# Altium PCB main_io.PcbDoc (part 2 of 6) (continued)
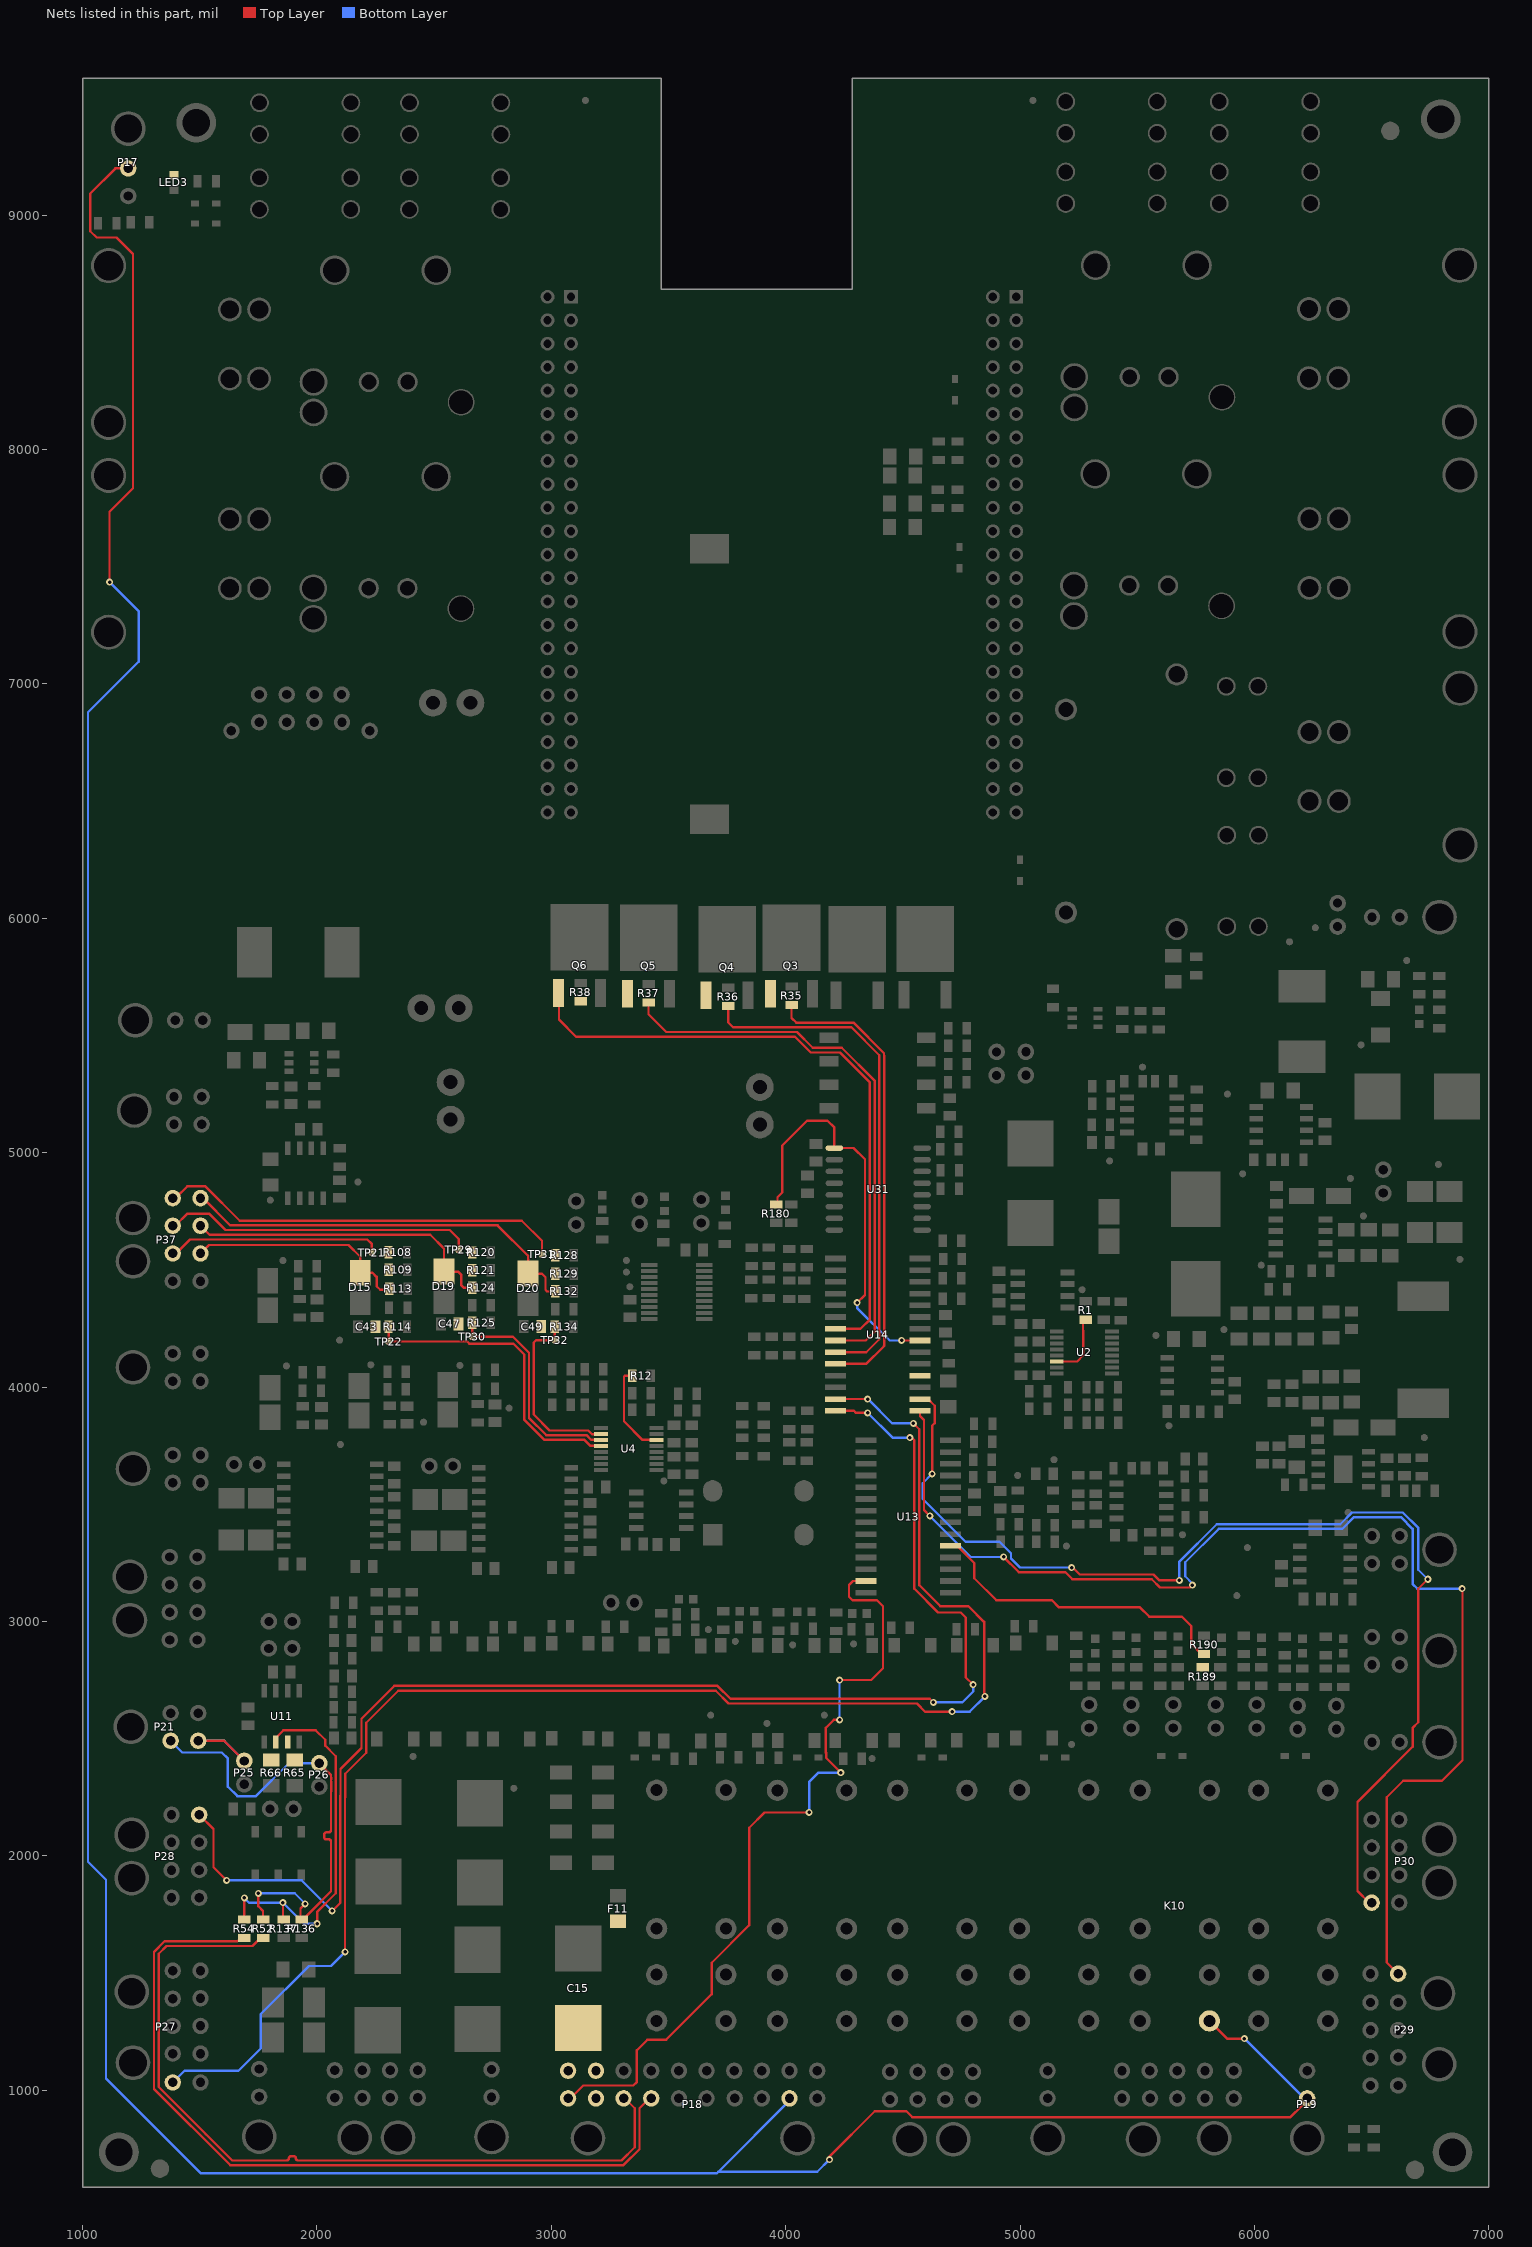
[diagram p4: the nets of this part, all layers, seen from the top]
## Part data (continued)
D22 D23 D32: "DIODE SCHOTTKY 40V 3A SMA", Average Rectified Current=3A, Capacitance=250pF, Case/Package=SMA, Forward Voltage=500mV, Manufacturer=Diodes, Max Forward Surge Current (Ifsm)=80A, Max Operating Temperature=125°C, Max Repetitive Reverse Voltage (Vrrm)=40V, Min Operating Temperature=-55°C, Package Quantity=5000, Peak Reverse Current=500uA, Supplier Part Number 1=B340A-FDICT-ND, ComponentLink1Description=https://datasheet.ciiva.com/26949/getdatasheetpartid-143394-26949352.pdf?src-supplier=Verical, ComponentLink1URL=https://datasheet.ciiva.com/26949/getdatasheetpartid-143394-26949352.pdf?src-supplier=Verical, ComponentLink2Description=https://datasheet.ciiva.com/4245/861ds30891-4245763.pdf?src-supplier=Arrow, ComponentLink2URL=https://datasheet.ciiva.com/4245/861ds30891-4245763.pdf?src-supplier=Arrow, ComponentLink3Description=https://datasheet.ciiva.com/1177/ds30891-1177476.pdf?src-supplier=Element14, ComponentLink3URL=https://datasheet.ciiva.com/1177/ds30891-1177476.pdf?src-supplier=Element14, ComponentLink4Description=https://datasheet.ciiva.com/913/ds30891-913638.pdf?src-supplier=Digi-Key, ComponentLink4URL=https://datasheet.ciiva.com/913/ds30891-913638.pdf?src-supplier=Digi-Key, ComponentLink5Description=https://datasheet.ciiva.com/46393/1911813-46393773.pdf?src-supplier=Element14, ComponentLink5URL=https://datasheet.ciiva.com/46393/1911813-46393773.pdf?src-supplier=Element14, ComponentLink6Description=https://datasheet.ciiva.com/1240/ds30891-1240228.pdf?src-supplier=Newark, ComponentLink6URL=https://datasheet.ciiva.com/1240/ds30891-1240228.pdf?src-supplier=Newark, ComponentLink7Description=https://datasheet.ciiva.com/913/ds30891-913637.pdf?src-supplier=Digi-Key, ComponentLink7URL=https://datasheet.ciiva.com/913/ds30891-913637.pdf?src-supplier=Digi-Key, ComponentLink8Description=https://datasheet.ciiva.com/913/ds30891-913639.pdf?src-supplier=Digi-Key, ComponentLink8URL=https://datasheet.ciiva.com/913/ds30891-913639.pdf?src-supplier=Digi-Key, Contact Plating=Tin,Matte, Current=3A, Current Rating=3A, Element Configuration=Single, Forward Current=3A, Height=2.3mm, Lead Free="Lead Free", Length=4.6mm, Max Reverse Voltage (DC)=40V, Mount="Surface Mount", Number of Pins=2, Output Current=3A, Packaging="Tape and Reel", Peak Non-Repetitive Surge Current=80A, Polarity=Standard, Pricing 1="1=0.42000, 10=0.33900, 100=0.23070, 500=0.17304, 1000=0.12978 (USD)", Radiation Hardening=No, REACH SVHC="No SVHC", RoHS=Yes, Stock 1=438328, Supplier 1=Digi-Key, Termination=SMD/SMT, Voltage=40V, Voltage Rating (DC)=40V, Weight=0.002258oz, Width=2.92mm
D24 D25 D26 D27: "TVS DIODE 24V 38.9V DO214AC", Manufacturer="LittelFuse Inc", Digikey Link=https://www.digikey.com/product-detail/en/littelfuse-inc/SMAJ24A/SMAJ24ALFCT-ND/762500, Digikey P/N=SMAJ24ALFCT-ND, Manufacturer P/N=SMAJ24A
F1 F2 F3 F4 F5 F6 F7 F8 F9 F10: "FUSE HOLDER MINI AUTO PC", Color=Black, Current Rating=20A, Flammability Rating="UL94 V-0", Manufacturer="Keystone Electronics", Max Operating Temperature=145°C, Min Operating Temperature=-50°C, Package Quantity=1, Supplier Part Number 1=3568K-ND, Voltage=500V, Approvals=UL, Body Material=Nylon, ComponentLink1Description=http://www.keyelco.com/userAssets/file/M60-2p40.pdf?src-supplier=Future+Electronics, ComponentLink1URL=http://www.keyelco.com/userAssets/file/M60-2p40.pdf?src-supplier=Future+Electronics, ComponentLink2Description=https://www.alliedelec.com/m/d/15b4f09b8ba48c4b08efedd730709c21.pdf?src-supplier=Allied+Electronics, ComponentLink2URL=https://www.alliedelec.com/m/d/15b4f09b8ba48c4b08efedd730709c21.pdf?src-supplier=Allied+Electronics, Contact Material=Brass,Tin, Contact Plating=Tin, Depth=6.73mm, Fuse Current=20A, Fuse Type=Automotive, Illumination Type=Illuminated, Lead Free="Lead Free", Length=16mm, Manufacturer Part Number=3568, Material=Brass,Tin,Nylon, Mount=PCB,Vertical, Number of Circuits=1, Number of Poles=1, Orientation=Vertical, REACH SVHC="No SVHC", Stock 1=0, Supplier 1=Digi-Key, Termination="PC Pin", Voltage Rating (AC)=500V
  F1 F3 F4 F7 F8: DNP=DNP
F11 F12: "FUSE BOARD MNT 2A 63VAC/VDC 1206", Case/Package=1206, Case Code (Metric)=3216, Current Rating=2A, DC Cold Resistance=32.4mR, Manufacturer=Littelfuse, Manufacturer Part Number=0468002.NR, Max Operating Temperature=90°C, Min Operating Temperature=-55°C, Package Quantity=5000, Power Dissipation=154.5mW, Supplier Part Number 1=F2570DKR-ND, Voltage Rating=63V, Approvals=UL,CSA, Case Code (Imperial)=1206, ComponentLink1Description=http://www.farnell.com/datasheets/94905.pdf?src-supplier=Farnell, ComponentLink1URL=http://www.farnell.com/datasheets/94905.pdf?src-supplier=Farnell, ComponentLink2Description=http://www.littelfuse.com/~/media/electronics/datasheets/fuses/littelfuse_fuse_468_datasheet.pdf.pdf?src-supplier=Digi-Key, ComponentLink2URL=http://www.littelfuse.com/~/media/electronics/datasheets/fuses/littelfuse_fuse_468_datasheet.pdf.pdf?src-supplier=Digi-Key, ComponentLink3Description=http://www.farnell.com/datasheets/1851811.pdf?src-supplier=Element14, ComponentLink3URL=http://www.farnell.com/datasheets/1851811.pdf?src-supplier=Element14, ComponentLink4Description=http://www.littelfuse.com/~/media/electronics/datasheets/fuses/littelfuse_fuse_468_datasheet.pdf.pdf?src-supplier=Future+Electronics, ComponentLink4URL=http://www.littelfuse.com/~/media/electronics/datasheets/fuses/littelfuse_fuse_468_datasheet.pdf.pdf?src-supplier=Future+Electronics, Composition="Thin Film", Depth=1.52mm, Fuse Current=2A, Fuse Type="Board Mount (Cartridge Style Excluded)", Height=0.58mm, Lead Free="Lead Free", Length=3.18mm, Mount="Surface Mount", Number of Pins=2, Packaging="Tape and Reel", Pricing 1="1=1.2, 5=1.166, 10=1.091, 50=0.9028, 100=0.7524, 250=0.7336, 500=0.62074, 1000=0.54549 (USD)", Radiation Hardening=No, REACH SVHC=Unknown, Resistance=32.4mR, Stock 1=13091, Supplier 1=Digi-Key, Terminal Material=Tin, Termination=SMD/SMT, Voltage Rating (AC)=63V, Voltage Rating (DC)=63V, Width=1.52mm
F13 F14: Case/Package=SMD/SMT, Current Rating=15A, DC Cold Resistance=4mR, Manufacturer=Eaton, Supplier Part Number 1=283-4104-1-ND, Voltage Rating=125V, Approvals=cULus,PSE, ComponentLink1Description=http://components.arrow.com/part/dataview/0323_05918082?src-supplier=Arrow+Europe, ComponentLink1URL=http://components.arrow.com/part/dataview/0323_05918082?src-supplier=Arrow+Europe, ComponentLink2Description=http://www.cooperindustries.com/content/dam/public/bussmann/Electronics/Resources/product-datasheets/bus-elx-ds-4377-cb61f.pdf?src-supplier=Avnet+Asia, ComponentLink2URL=http://www.cooperindustries.com/content/dam/public/bussmann/Electronics/Resources/product-datasheets/bus-elx-ds-4377-cb61f.pdf?src-supplier=Avnet+Asia, ComponentLink3Description=http://www.cooperindustries.com/content/dam/public/bussmann/Electronics/Resources/product-datasheets/bus-elx-ds-4377-cb61f.pdf?src-supplier=Avnet, ComponentLink3URL=http://www.cooperindustries.com/content/dam/public/bussmann/Electronics/Resources/product-datasheets/bus-elx-ds-4377-cb61f.pdf?src-supplier=Avnet, ComponentLink4Description=http://www.cooperindustries.com/content/dam/public/bussmann/Electronics/Resources/product-datasheets/bus-elx-ds-4377-cb61f.pdf?src-supplier=Digi-Key, ComponentLink4URL=http://www.cooperindustries.com/content/dam/public/bussmann/Electronics/Resources/product-datasheets/bus-elx-ds-4377-cb61f.pdf?src-supplier=Digi-Key, Depth=2.57mm, Fuse Type="Board Mount (Cartridge Style Excluded)", Height=0.101inch, Lead Free="Lead Free", Length=0.24inch, Manufacturer Part Number=CB61F15A-TR1, Mount="Surface Mount", Packaging="Tape and Reel", Pricing 1="1=1.15000, 5=1.11800, 10=1.04600, 50=0.86600, 100=0.72160, 250=0.70356, 500=0.59532 (USD)", RoHS=Yes, Stock 1=11809, Supplier 1=Digi-Key, Voltage Rating (AC)=125V, Voltage Rating (DC)=125V, Width=0.101inch
K1: "RELAY, PCB, SPST-NO, 24VDC, 25A", Coil Current=37.5mA, Coil Power=1W, Coil Resistance=640R, Coil Voltage (DC)=24V, Contact Current Rating=25A, Contact Voltage Rating (AC)=277V, Manufacturer="TE Connectivity", Max Operating Temperature=55°C, Min Operating Temperature=-30°C, Package Quantity=500, Supplier Part Number 1=PB2178-ND, Approvals=UL,VDE, Coil Type=Non-Latching, ComponentLink1Description=http://www.farnell.com/cad/1652771.pdf?src-supplier=Element14, ComponentLink1URL=http://www.farnell.com/cad/1652771.pdf?src-supplier=Element14, ComponentLink2Description=http://www.farnell.com/datasheets/2043483.pdf?src-supplier=Farnell, ComponentLink2URL=http://www.farnell.com/datasheets/2043483.pdf?src-supplier=Farnell, ComponentLink3Description=https://www.te.com/commerce/DocumentDelivery/DDEController?Action=srchrtrv&DocNm=PCFN_solar_relay_datasheet&DocType=DS&DocLang=English, ComponentLink3URL=https://www.te.com/commerce/DocumentDelivery/DDEController?Action=srchrtrv&DocNm=PCFN_solar_relay_datasheet&DocType=DS&DocLang=English, Contact Material=Tin,Silver, Current Rating=25A, Depth=16mm, ELV=Compliant, Height=1.043inch, Length=30.4mm, Mount="Through Hole,PCB", Operate Time=20ms, Packaging=Rail/Tube, Pricing 1="1=3.7, 10=3.473, 25=3.0872, 50=2.9326, 100=2.7783, 250=2.4696, 500=2.31526, 1000=2.1609 (USD)", REACH SVHC=Unknown, Relay Type="General Purpose", Release Time=10ms, Stock 1=401, Supplier 1=Digi-Key, Termination=PCB, Throw Configuration=SPST, Voltage Rating (DC)=24V, Weight=28g, Width=0.63inch
K2 K7 K8 K9 K10 K11: "RELAY GEN PURPOSE DPDT 8A 24V", Case/Package=DIP, Coil Current=16.7mA, Coil Power=400mW, Coil Resistance=1.44kR, Coil Voltage (DC)=24V, Contact Current Rating=8A, Manufacturer=Omron, Manufacturer Part Number=G2RL-24-DC24, Max Operating Temperature=85°C, Max Voltage Rating (AC)=440V, Max Voltage Rating (DC)=300V, Min Operating Temperature=-40°C, Package Quantity=20, Coil Type=Non-Latching, ComponentLink1Description=http://www.alliedelec.com/images/products/datasheets/bm/OMRON_ELECTRONICS_LLC/70175264.pdf?src-supplier=Allied+Electronics, ComponentLink1URL=http://www.alliedelec.com/images/products/datasheets/bm/OMRON_ELECTRONICS_LLC/70175264.pdf?src-supplier=Allied+Electronics, ComponentLink2Description=http://www.mouser.com/ds/2/307/en-g2rl-472571.pdf?src-supplier=Mouser, ComponentLink2URL=http://www.mouser.com/ds/2/307/en-g2rl-472571.pdf?src-supplier=Mouser, Contact Material=Silver,Cadmium, Depth=12.7mm, Height=15.7mm, Lead Free="Lead Free", Length=29mm, Max Current Rating=8A, Mount="Through Hole", Number of Pins=8, Operate Time=15ms, Packaging=Bulk, Power Consumption=400mW, Power Rating=400mW, Pricing 1="1=4.32, 10=4.053, 25=3.6028, 50=3.4226, 100=3.2425, 250=2.88224, 500=2.7021 (USD)", Radiation Hardening=No, Relay Type="General Purpose", Release Time=5ms, Stock 1=13387, Supplier 1=Digi-Key, Termination="PC Pin", Throw Configuration=DPDT, Voltage Rating (AC)=440V, Voltage Rating (DC)=300V, Weight=12g, Width=12.7mm
K3 K4 K5 K6: "RELAY AUTOMOTIVE SPDT 45A 24V", Coil Current=66.29mA, Coil Power=1.6W, Coil Resistance=362R, Coil Voltage (DC)=24V, Contact Current Rating=45A, Manufacturer="TE Connectivity", Max Operating Temperature=105°C, Min Operating Temperature=-40°C, Package Quantity=525, Supplier Part Number 1=PB1320-ND, Coil Type=Non-Latching, ComponentLink1Description=https://www.verical.com/server-webapp/html/getDatasheet?partID=318318&src-supplier=Verical, ComponentLink1URL=https://www.verical.com/server-webapp/html/getDatasheet?partID=318318&src-supplier=Verical, ComponentLink2Description=https://www.te.com/commerce/DocumentDelivery/DDEController?Action=srchrtrv&DocNm=V23133-X0000-A001&DocType=DS&DocLang=English&src-supplier=Digi-Key, ComponentLink2URL=https://www.te.com/commerce/DocumentDelivery/DDEController?Action=srchrtrv&DocNm=V23133-X0000-A001&DocType=DS&DocLang=English&src-supplier=Digi-Key, Contact Material=Silver, Current Rating=45A, Depth=21.1mm, ELV=Compliant, Height=21.2mm, Lead Free="Lead Free", Length=26.1mm, Manufacturer Part Number=1393277-8, Mount="Through Hole", Number of Contacts=2, Number of Pins=7, Operate Time=5ms, Packaging=Bulk, Pricing 1="1=5.39, 10=5.053, 25=4.4912, 50=4.2666, 100=4.042, 250=3.73328 (USD)", Radiation Hardening=No, Relay Type=Relay, Release Time=3ms, Stock 1=2937, Supplier 1=Digi-Key, Termination=PCB, Throw Configuration=SPDT, Weight=22g, Width=21.1mm
L1: "Ind Chip Power Metal Compound 0.1uH 20% 2-Pin SMD T/R", Inductance="100 nH", Manufacturer=Sumida, Saturation Current="8.2 A", Supplier Part Number 1=308-2523-6-ND, ComponentLink1Description=https://products.sumida.com/products/pdf/0410CDMCCDS%20(en).pdf?src-supplier=Digi-Key, ComponentLink1URL=https://products.sumida.com/products/pdf/0410CDMCCDS%20(en).pdf?src-supplier=Digi-Key, Pricing 1="1=0.93, 10=0.817, 100=0.5836, 500=0.49024, 1000=0.39687 (USD)", Stock 1=5971, Supplier 1=Digi-Key
L2: "Fixed Inductors 1uH 20% Low Profile", Case/Package=3232, Current Rating=18.2A, DC Resistance (DCR)=4.63mR, Inductance=1uH, Inductance Tolerance=20%, Manufacturer="Vishay Dale", Max Operating Temperature=125°C, Min Operating Temperature=-55°C, Package Quantity=500, Saturation Current=12A, Self Resonant Frequency=49MHz, Supplier Part Number 1=541-1348-1-ND, Test Frequency=100kHz, ComponentLink1Description=https://datasheet.ciiva.com/6692/ihlp-3232dz-11-6692199.pdf?src-supplier=Digi-Key, ComponentLink1URL=https://datasheet.ciiva.com/6692/ihlp-3232dz-11-6692199.pdf?src-supplier=Digi-Key, ComponentLink2Description=https://datasheet.ciiva.com/6692/ihlp-3232dz-11-6692200.pdf?src-supplier=Digi-Key, ComponentLink2URL=https://datasheet.ciiva.com/6692/ihlp-3232dz-11-6692200.pdf?src-supplier=Digi-Key, ComponentLink3Description=https://datasheet.ciiva.com/6692/ihlp-3232dz-11-6692201.pdf?src-supplier=Digi-Key, ComponentLink3URL=https://datasheet.ciiva.com/6692/ihlp-3232dz-11-6692201.pdf?src-supplier=Digi-Key, ComponentLink4Description=https://datasheet.ciiva.com/17113/70231623-17113262.pdf?src-supplier=Allied+Electronics, ComponentLink4URL=https://datasheet.ciiva.com/17113/70231623-17113262.pdf?src-supplier=Allied+Electronics, Core Material=Metal,Composite,Ferrite, Depth=8.94mm, Height=4mm, Height - Seated (Max)=0.157inch, Lead Free="Lead Free", Length=8.64mm, Max DC Current=18.2A, Military Standard=Not, Mount="Surface Mount", Number of Pins=2, Packaging="Tape and Reel", Pricing 1="1=1.61000, 10=1.49500, 100=1.08100 (USD)", Radiation Hardening=No, REACH SVHC=Unknown, RMS Current (Irms)=18.2A, RoHS=Yes, Shielding=Shielded, Stock 1=9463, Supplier 1=Digi-Key, Termination=SMD/SMT, Tolerance=20%, Width=0.322inch
L3: "Inductor Power Shielded Wirewound 33uH 20% 1KHz 28Q-Factor Ferrite 3.5A 57mOhm DCR Automotive T/R", Case/Package=Nonstandard, Current Rating=3.5A, DC Resistance (DCR)=57mR, Inductance=33uH, Inductance Tolerance=20%, Manufacturer=Bourns, Max Operating Temperature=125°C, Min Operating Temperature=-40°C, Package Quantity=400, Ratings=AEC-Q200, Saturation Current=3.3A, Self Resonant Frequency=9.5MHz, Supplier Part Number 1=06X7909, Test Frequency=1kHz, ComponentLink1Description=https://datasheet.ciiva.com/41859/srr1280a-41859670.pdf?src-supplier=Digi-Key, ComponentLink1URL=https://datasheet.ciiva.com/41859/srr1280a-41859670.pdf?src-supplier=Digi-Key, ComponentLink2Description=https://datasheet.ciiva.com/48684/srr1280a-48684991.pdf?src-supplier=Avnet, ComponentLink2URL=https://datasheet.ciiva.com/48684/srr1280a-48684991.pdf?src-supplier=Avnet, Core Material=Ferrite, Depth=12.8mm, Height=7.5mm, Height - Seated (Max)=0.315inch, Length=0.492inch, Max DC Current=3.5A, Military Standard=Not, Mount="Surface Mount", Packaging="Cut Tape", Pricing 1="2400=0.54000, 4000=0.48600, 6000=0.46800, 10000=0.45800 (USD)", REACH SVHC="No SVHC", RMS Current (Irms)=3.5A, RoHS=Yes, Shielding=Shielded, Stock 1=0, Supplier 1=Newark, Tolerance=20%, Width=0.492inch
L4: "BOURNS - SRR1208-120ML - INDUCTOR, SHIELDED, 12UH, 6.5A, 20%, SMD", Case/Package=1208, Current Rating=4.8A, DC Resistance (DCR)=25mR, Frequency=11MHz, Inductance=12uH, Inductance Tolerance=20%, Manufacturer=Bourns, Max Operating Temperature=125°C, Min Operating Temperature=-40°C, Package Quantity=400, Resistance=25MR, Saturation Current=6.5A, Supplier Part Number 1=SRR1208-120MLDKR-ND, Test Frequency=1kHz, ComponentLink1Description=http://www.bourns.com/pdfs/srr1208.pdf?src-supplier=Avnet, ComponentLink1URL=http://www.bourns.com/pdfs/srr1208.pdf?src-supplier=Avnet, ComponentLink2Description=http://www.mouser.com/ds/2/54/rr1208-777886.pdf?src-supplier=Mouser, ComponentLink2URL=http://www.mouser.com/ds/2/54/rr1208-777886.pdf?src-supplier=Mouser, ComponentLink3Description=http://www.bourns.com/pdfs/srr1208.pdf?src-supplier=Avnet+Europe, ComponentLink3URL=http://www.bourns.com/pdfs/srr1208.pdf?src-supplier=Avnet+Europe, ComponentLink4Description=http://www.bourns.com/docs/Product-Datasheets/SRR1208.pdf?src-supplier=Digi-Key, ComponentLink4URL=http://www.bourns.com/docs/Product-Datasheets/SRR1208.pdf?src-supplier=Digi-Key, ComponentLink5Description=https://www.bourns.com/docs/Product-Datasheets/SRR1208.pdf?src-supplier=Digi-Key, ComponentLink5URL=https://www.bourns.com/docs/Product-Datasheets/SRR1208.pdf?src-supplier=Digi-Key, ComponentLink6Description=http://www.produktinfo.conrad.com/datenblaetter/1000000-1099999/001056588-da-01-en-MAG_ABGE_L_IND_SRR1208_120ML_12UH_4_8A.pdf?src-supplier=Conrad, ComponentLink6URL=http://www.produktinfo.conrad.com/datenblaetter/1000000-1099999/001056588-da-01-en-MAG_ABGE_L_IND_SRR1208_120ML_12UH_4_8A.pdf?src-supplier=Conrad, Composition=Wirewound, Core Material=Ferrite, DC Current=4.8A, Depth=13mm, Height=8.5mm, Height - Seated (Max)=0.335inch, Length=12.7mm, Material=Steel, Max DC Current=4.8A, Military Standard=Not, Mount="Surface Mount", Packaging="Tape and Reel", Pricing 1="1=1.13, 10=1.047, 100=0.7567 (USD)", Q Factor=19, Radiation Hardening=No, REACH SVHC="No SVHC", RMS Current (Irms)=4.8A, Self Resonant Frequency=11MHz, Shielding=Shielded, Stock 1=1840, Supplier 1=Digi-Key, Termination=SMD/SMT, Tolerance=20%, Width=12.7mm
L5: "Fixed Inductors 10uH 5.4A", Case/Package=Nonstandard, Current Rating=5.4A, DC Resistance (DCR)=21.6mR, Inductance=10uH, Manufacturer=Sumida, Max Operating Temperature=100°C, Min Operating Temperature=-40°C, Package Quantity=1, Supplier Part Number 1=308-1457-6-ND, Test Frequency=1kHz, Tolerance=20%, ComponentLink1Description=http://datasheet.iiic.cc/sumida/CDRH127NP-100MC.pdf?src-supplier=IIIC, ComponentLink1URL=http://datasheet.iiic.cc/sumida/CDRH127NP-100MC.pdf?src-supplier=IIIC, Core Material=Ferrite, DC Current=5.4A, Depth=12.3mm, Height=8mm, Height - Seated (Max)=0.315inch, Lead Free="Lead Free", Length=12.3mm, Max DC Current=5.4A, Military Standard=Not, Mount="Surface Mount", Packaging="Tape and Reel", Pricing 1="1=2.02, 10=1.863, 100=1.3041 (USD)", Radiation Hardening=No, Shielding=Shielded, Stock 1=1624, Supplier 1=Digi-Key, Termination=SMD/SMT, Width=0.472inch
LED1 LED3 LED4 LED5 LED6 LED7 LED8 LED9 LED10 LED11 LED12 LED13 LED14 LED15 LED16: Color=GREEN, Manufacturer="Lite-On Inc.", Manufacturer P/N=LTST-C190KGKT, Package / Case=0603, Digikey P/N=160-1435-1-ND
LED2: library part "LED RED 0603", "Red 631nm LED Indication - Discrete 2V 0603 (1608 Metric)", Manufacturer="Lite-On Inc.", Manufacturer P/N=LTST-C190KRKT, Package / Case=0603, Color=RED, Digikey P/N=160-1436-1-ND
P1 P2 P3 P4: "Screw Terminal, 2-Pin"
P5 P7 P17 P19 P20 P40 P45 P46: "CONN HEADER R/A 2POS", Case/Package=SMC, Color=Black, Contact Resistance=10mR, Current Rating=5A, Flammability Rating="UL94 V-0", Insulation Resistance=1GR, Manufacturer=Molex, Max Operating Temperature=105°C, Max Voltage Rating (DC)=250.25kV, Min Operating Temperature=-40°C, Package Quantity=3168, Supplier Part Number 1=WM1813-ND, Voltage Rating=600V, Voltage Rating (DC)=250V, Approvals=UL,CSA,TUV, ComponentLink1Description=https://datasheet.ciiva.com/14155/04402310-14155203.pdf?src-supplier=Distrelec, ComponentLink1URL=https://datasheet.ciiva.com/14155/04402310-14155203.pdf?src-supplier=Distrelec, ComponentLink2Description=https://datasheet.ciiva.com/19454/883270-19454006.pdf?src-supplier=Jameco, ComponentLink2URL=https://datasheet.ciiva.com/19454/883270-19454006.pdf?src-supplier=Jameco, ComponentLink3Description=https://datasheet.ciiva.com/5150/0430450200-pcb-headers-145770-5150407.pdf?src-supplier=Mouser, ComponentLink3URL=https://datasheet.ciiva.com/5150/0430450200-pcb-headers-145770-5150407.pdf?src-supplier=Mouser, ComponentLink4Description=https://datasheet.ciiva.com/11747/0900766b80027348-11747001.pdf?src-supplier=RSComponents, ComponentLink4URL=https://datasheet.ciiva.com/11747/0900766b80027348-11747001.pdf?src-supplier=RSComponents, ComponentLink5Description=https://datasheet.ciiva.com/16656/0430450200-pcb-headers-16656330.pdf?src-supplier=Avnet+Europe, ComponentLink5URL=https://datasheet.ciiva.com/16656/0430450200-pcb-headers-16656330.pdf?src-supplier=Avnet+Europe, ComponentLink6Description=https://datasheet.ciiva.com/10090/0430450200-pcb-headers-10090299.pdf?src-supplier=Avnet, ComponentLink6URL=https://datasheet.ciiva.com/10090/0430450200-pcb-headers-10090299.pdf?src-supplier=Avnet, ComponentLink7Description=https://datasheet.ciiva.com/36854/124280430450200-pcb-headers-36854331.pdf?src-supplier=Onlinecomponents.com, ComponentLink7URL=https://datasheet.ciiva.com/36854/124280430450200-pcb-headers-36854331.pdf?src-supplier=Onlinecomponents.com, ComponentLink8Description=https://datasheet.ciiva.com/1443/1859921-1443437.pdf?src-supplier=Element14, ComponentLink8URL=https://datasheet.ciiva.com/1443/1859921-1443437.pdf?src-supplier=Element14, Contact Gender=Male, Contact Material=Brass,Tin, Contact Plating=Tin, Diameter=3mm, Gender=Male, Glow Wire Compliant=Compliant, Halogen Free="Low Halogen", Housing Color=Black, Housing Material=Thermoplastic, Lead Free="Lead Free", Manufacturer Part Number=43045-0200, Material=Thermoplastic, Mount="Through Hole", Number of Circuits=2, Number of Contacts=2, Number of Positions=2, Number of Rows=2, Orientation="Right Angle", Packaging=Tray, Pitch=3mm, Pricing 1="1=0.97000, 10=0.84900, 100=0.73280, 500=0.59958, 1000=0.53296, 5000=0.46634, 10000=0.44302 (USD)", Radiation Hardening=No, REACH SVHC=Unknown, RoHS=Yes, Row Spacing=3mm, Stock 1=6320, Supplier 1=Digi-Key, Termination="Through Hole"
P6 P13 P14 P15 P16 P22 P23 P24 P25 P26 P31 P32 P33 P34 P47 P48 P49 P50 P51 P52 P53 P54: "Header, 2-Pin", LatestRevisionDate=17-Jul-2002, LatestRevisionNote="Re-released for DXP Platform.", Publisher="Altium Limited"
P8 P9 P10 P11 P12: "Conn Power HDR 2 POS 7.49mm Solder RA Thru-Hole 4 Terminal 1 Port Sabre™ Tray", Color=Black, Contact Resistance=30mR, Current Rating=18A, Manufacturer=Molex, Max Operating Temperature=75°C, Min Operating Temperature=-40°C, Package Quantity=525, Supplier Part Number 1=WM13983-ND, Voltage Rating=600V, ComponentLink1Description=https://www.verical.com/server-webapp/html/getDatasheet?partID=198412&src-supplier=Verical, ComponentLink1URL=https://www.verical.com/server-webapp/html/getDatasheet?partID=198412&src-supplier=Verical, ComponentLink2Description=http://components.arrow.com/part/dataview/2942820S6220968N3303?src-supplier=Arrow, ComponentLink2URL=http://components.arrow.com/part/dataview/2942820S6220968N3303?src-supplier=Arrow, ComponentLink3Description=http://www.molex.com/pdm_docs/ps/PSX-43335-9999.pdf?src-supplier=Digi-Key, ComponentLink3URL=http://www.molex.com/pdm_docs/ps/PSX-43335-9999.pdf?src-supplier=Digi-Key, Contact Material=Brass, Contact Plating=Tin,Copper, Depth=19.79mm, Fastening Type=Ramp, Housing Color=Black, Housing Material=Nylon, Insulation Material=Nylon, Length=21.08mm, Manufacturer Part Number=0431605302, Mount="Through Hole", Number of Contacts=2, Number of Ports=1, Number of Positions=2, Number of Rows=1, Number of Terminals=4, Orientation="Right Angle", Packaging=Tray, Pitch=7.49mm, Stock 1=0, Supplier 1=Digi-Key, Termination=Solder
P18: "HEADER, RIGHT ANGLE, 20WAY", Color=Black, Contact Resistance=10mR, Current Rating=5A, Flammability Rating="UL94 V-0", Insulation Resistance=1GR, Manufacturer=Molex, Max Operating Temperature=105°C, Max Voltage Rating (DC)=250.25kV, Min Operating Temperature=-40°C, Operating Supply Voltage=250V, Package Quantity=648, Supplier Part Number 1=WM4726-ND, Voltage Rating=600V, Approvals=UL,CSA,TUV, ComponentLink1Description=https://datasheet.ciiva.com/5158/0430452000-pcb-headers-143029-5158912.pdf?src-supplier=Mouser, ComponentLink1URL=https://datasheet.ciiva.com/5158/0430452000-pcb-headers-143029-5158912.pdf?src-supplier=Mouser, ComponentLink2Description=https://datasheet.ciiva.com/30232/144790430452000-pcb-headers-30232337.pdf?src-supplier=Onlinecomponents.com, ComponentLink2URL=https://datasheet.ciiva.com/30232/144790430452000-pcb-headers-30232337.pdf?src-supplier=Onlinecomponents.com, ComponentLink3Description=https://datasheet.ciiva.com/11747/0900766b80d6135b-11747452.pdf?src-supplier=RSComponents, ComponentLink3URL=https://datasheet.ciiva.com/11747/0900766b80d6135b-11747452.pdf?src-supplier=RSComponents, ComponentLink4Description=https://datasheet.ciiva.com/19461/800067-19461036.pdf?src-supplier=Jameco, ComponentLink4URL=https://datasheet.ciiva.com/19461/800067-19461036.pdf?src-supplier=Jameco, ComponentLink5Description=https://datasheet.ciiva.com/1443/1786399-1443623.pdf?src-supplier=Element14, ComponentLink5URL=https://datasheet.ciiva.com/1443/1786399-1443623.pdf?src-supplier=Element14, ComponentLink6Description=https://datasheet.ciiva.com/10076/0430452000-pcb-headers-10076859.pdf?src-supplier=Avnet, ComponentLink6URL=https://datasheet.ciiva.com/10076/0430452000-pcb-headers-10076859.pdf?src-supplier=Avnet, ComponentLink7Description=https://datasheet.ciiva.com/14155/04402310-14155212.pdf?src-supplier=Distrelec, ComponentLink7URL=https://datasheet.ciiva.com/14155/04402310-14155212.pdf?src-supplier=Distrelec, Contact Material=Brass,Tin, Contact Plating=Tin, Depth=12.2mm, Gender=Male, Glow Wire Compliant=Compliant, Halogen Free="Low Halogen", Height=8.77mm, Housing Color=Black, Housing Material=Thermoplastic, Lead Free="Lead Free", Lead Pitch=3mm, Length=34.15mm, Manufacturer Part Number=43045-2000, Material=Polyester, Max Current Rating=5A, Mount="Through Hole", Number of Circuits=20, Number of Contacts=20, Number of Poles=20, Number of Positions=20, Number of Rows=2, Orientation="Right Angle", Packaging=Tray, Pitch=3mm, Pricing 1="1=5.17000, 10=4.95900, 100=4.13220, 500=3.51238, 1000=2.99585 (USD)", Radiation Hardening=No, RoHS=Yes, Row Spacing=3mm, Stock 1=1197, Supplier 1=Digi-Key, Termination=Solder, Voltage Rating (AC)=250V, Voltage Rating (DC)=250V, Working Voltage=250V
P21 P35 P38 P39 P41 P42: "Male connector dual row 90° 3 mm Pole no. 2x2 Micro-Fit, 43045-0400, Molex", Color=Black, Contact Resistance=10mR, Flammability Rating="UL94 V-0", Manufacturer=Molex, Max Operating Temperature=105°C, Max Voltage Rating (AC)=250V, Min Operating Temperature=-40°C, Supplier Part Number 1=WM1814-ND, ComponentLink1Description=https://datasheet.ciiva.com/712/430450200-sd-712017.pdf?src-supplier=Digi-Key, ComponentLink1URL=https://datasheet.ciiva.com/712/430450200-sd-712017.pdf?src-supplier=Digi-Key, ComponentLink2Description=https://datasheet.ciiva.com/20209/22-3744e-20209522.pdf?src-supplier=Rapid+Electronics, ComponentLink2URL=https://datasheet.ciiva.com/20209/22-3744e-20209522.pdf?src-supplier=Rapid+Electronics, ComponentLink3Description=https://datasheet.ciiva.com/11746/0900766b80027348-11746988.pdf?src-supplier=RSComponents, ComponentLink3URL=https://datasheet.ciiva.com/11746/0900766b80027348-11746988.pdf?src-supplier=RSComponents, ComponentLink4Description=https://datasheet.ciiva.com/30193/145420430450400-pcb-headers-30193310.pdf?src-supplier=Onlinecomponents.com, ComponentLink4URL=https://datasheet.ciiva.com/30193/145420430450400-pcb-headers-30193310.pdf?src-supplier=Onlinecomponents.com, Connector Type="Male Pin", Contact Material=Brass, Contact Plating=Tin, Depth=12.2mm, Fastening Type=Ramp, Housing Color=Black, Housing Material=Polymer, Length=10.15mm, Manufacturer Part Number=43045-0400, Mount="Through Hole", Number of Contacts=4, Number of Positions=4, Number of Rows=2, Orientation="Right Angle", Packaging=Tray, Pitch=3mm, Pricing 1="1=1.33000, 10=1.16700, 100=1.00670, 500=0.82368, 1000=0.73216, 5000=0.64064, 10000=0.60861 (USD)", RoHS=Yes, Row Spacing=0.118inch, Stock 1=5904, Supplier 1=Digi-Key, Termination=Solder
P27 P29 P36: "GLOVE, POLYAMIDE, L/FREE, PU, SIZE 6 - More Details", Color=Black, Contact Resistance=10mR, Current Rating=5A, Flammability Rating="UL94 V-0", Insulation Resistance=1GR, Manufacturer=Molex, Max Operating Temperature=105°C, Max Voltage Rating (DC)=250.25kV, Min Operating Temperature=-40°C, Package Quantity=1224, Supplier Part Number 1=WM1817-ND, Voltage Rating=250V, Approvals=UL,CSA,TUV, ComponentLink1Description=https://datasheet.ciiva.com/5150/0430451000-pcb-headers-143006-5150145.pdf?src-supplier=Mouser, ComponentLink1URL=https://datasheet.ciiva.com/5150/0430451000-pcb-headers-143006-5150145.pdf?src-supplier=Mouser, ComponentLink2Description=https://datasheet.ciiva.com/11749/0900766b80027348-11749233.pdf?src-supplier=RSComponents, ComponentLink2URL=https://datasheet.ciiva.com/11749/0900766b80027348-11749233.pdf?src-supplier=RSComponents, ComponentLink3Description=https://datasheet.ciiva.com/19461/883595-19461109.pdf?src-supplier=Jameco, ComponentLink3URL=https://datasheet.ciiva.com/19461/883595-19461109.pdf?src-supplier=Jameco, ComponentLink4Description=https://datasheet.ciiva.com/30068/153980430451000-pcb-headers-30068060.pdf?src-supplier=Onlinecomponents.com, ComponentLink4URL=https://datasheet.ciiva.com/30068/153980430451000-pcb-headers-30068060.pdf?src-supplier=Onlinecomponents.com, ComponentLink5Description=https://datasheet.ciiva.com/14155/04402310-14155207.pdf?src-supplier=Distrelec, ComponentLink5URL=https://datasheet.ciiva.com/14155/04402310-14155207.pdf?src-supplier=Distrelec, ComponentLink6Description=https://datasheet.ciiva.com/18454/70090797-18454139.pdf?src-supplier=Allied+Electronics, ComponentLink6URL=https://datasheet.ciiva.com/18454/70090797-18454139.pdf?src-supplier=Allied+Electronics, ComponentLink7Description=https://datasheet.ciiva.com/16658/0430451000-pcb-headers-16658413.pdf?src-supplier=Avnet+Europe, ComponentLink7URL=https://datasheet.ciiva.com/16658/0430451000-pcb-headers-16658413.pdf?src-supplier=Avnet+Europe, ComponentLink8Description=https://datasheet.ciiva.com/9468/0430451000-pcb-headers-9468495.pdf?src-supplier=Avnet, ComponentLink8URL=https://datasheet.ciiva.com/9468/0430451000-pcb-headers-9468495.pdf?src-supplier=Avnet, Connector Type=Power,Rectangular, Contact Material=Brass,Tin, Contact Plating=Tin, Depth=12.2mm, Diameter=3mm, Gender=Male, Glow Wire Compliant=Compliant, Halogen Free="Low Halogen", Height=8.77mm, Housing Color=Black, Housing Material=Thermoplastic, Lead Free="Lead Free", Length=19.15mm, Manufacturer Part Number=43045-1000, Material=Polyester, Max Current Rating=5A, Mount="Through Hole,PCB", Number of Circuits=10, Number of Contacts=10, Number of Poles=10, Number of Positions=10, Number of Rows=2, Orientation="Right Angle", Packaging=Tray, Pitch=3mm, Pricing 1="1=2.57000, 10=2.33100, 100=1.99790, 500=1.66496, 1000=1.42710, 5000=1.26536 (USD)", Radiation Hardening=No, REACH SVHC=Unknown, RoHS=Yes, Row Spacing=3mm, Stock 1=4799, Supplier 1=Digi-Key, Termination=Solder, Voltage Rating (AC)=250V, Voltage Rating (DC)=250V, Working Voltage=250V
P28 P30 P37 P43 P44 P56: "CONN HEADER R/A 8POS 3MM", Case/Package=SMC, Color=Black, Contact Resistance=10mR, Current Rating=5A, Flammability Rating="UL94 V-0", Insulation Resistance=1GR, Manufacturer=Molex, Max Operating Temperature=105°C, Max Voltage Rating (DC)=250.25kV, Min Operating Temperature=-40°C, Package Quantity=1440, Supplier Part Number 1=WM1816-ND, Voltage Rating=600V, Voltage Rating (AC)=250V, Approvals=UL,CSA,TUV, ComponentLink1Description=https://datasheet.ciiva.com/5158/0430450800-pcb-headers-142625-5158817.pdf?src-supplier=Mouser, ComponentLink1URL=https://datasheet.ciiva.com/5158/0430450800-pcb-headers-142625-5158817.pdf?src-supplier=Mouser, ComponentLink2Description=https://datasheet.ciiva.com/7683/27645-7683683.pdf?src-supplier=Element14, ComponentLink2URL=https://datasheet.ciiva.com/7683/27645-7683683.pdf?src-supplier=Element14, ComponentLink3Description=https://datasheet.ciiva.com/19462/883536-19462164.pdf?src-supplier=Jameco, ComponentLink3URL=https://datasheet.ciiva.com/19462/883536-19462164.pdf?src-supplier=Jameco, ComponentLink4Description=https://datasheet.ciiva.com/11751/0900766b80027348-11751142.pdf?src-supplier=RSComponents, ComponentLink4URL=https://datasheet.ciiva.com/11751/0900766b80027348-11751142.pdf?src-supplier=RSComponents, ComponentLink5Description=https://datasheet.ciiva.com/30198/267770430450800-pcb-headers-30198875.pdf?src-supplier=Onlinecomponents.com, ComponentLink5URL=https://datasheet.ciiva.com/30198/267770430450800-pcb-headers-30198875.pdf?src-supplier=Onlinecomponents.com, ComponentLink6Description=https://datasheet.ciiva.com/1443/1850016-1443537.pdf?src-supplier=Element14, ComponentLink6URL=https://datasheet.ciiva.com/1443/1850016-1443537.pdf?src-supplier=Element14, ComponentLink7Description=https://datasheet.ciiva.com/14155/04402310-14155206.pdf?src-supplier=Distrelec, ComponentLink7URL=https://datasheet.ciiva.com/14155/04402310-14155206.pdf?src-supplier=Distrelec, ComponentLink8Description=https://datasheet.ciiva.com/16657/0430450800-pcb-headers-16657964.pdf?src-supplier=Avnet+Europe, ComponentLink8URL=https://datasheet.ciiva.com/16657/0430450800-pcb-headers-16657964.pdf?src-supplier=Avnet+Europe, ComponentLink9Description=https://datasheet.ciiva.com/10087/0430450800-pcb-headers-10087853.pdf?src-supplier=Avnet, ComponentLink9URL=https://datasheet.ciiva.com/10087/0430450800-pcb-headers-10087853.pdf?src-supplier=Avnet, Contact Material=Brass,Tin, Contact Plating=Tin, Depth=12.2mm, Diameter=3mm, Gender=Male, Glow Wire Compliant=Compliant, Halogen Free="Low Halogen", Height=8.77mm, Housing Color=Black, Housing Material=Thermoplastic, Lead Free="Lead Free", Length=16.15mm, Manufacturer Part Number=43045-0800, Material=Polyester, Max Current Rating=5A, Mount="Through Hole", Number of Circuits=8, Number of Contacts=8, Number of Poles=8, Number of Positions=8, Number of Rows=2, Orientation="Right Angle", Packaging=Tray, Pitch=3mm, Pricing 1="1=1.91000, 10=1.73100, 100=1.48390, 500=1.23656, 1000=1.05990, 5000=0.93978, 10000=0.91858 (USD)", Radiation Hardening=No, REACH SVHC=Unknown, RoHS=Yes, Row Spacing=3mm, Stock 1=2632, Supplier 1=Digi-Key, Termination=Solder, Voltage Rating (DC)=250V, Working Voltage=250V